# KiCad board demomatrix.kicad_pcb (continued)
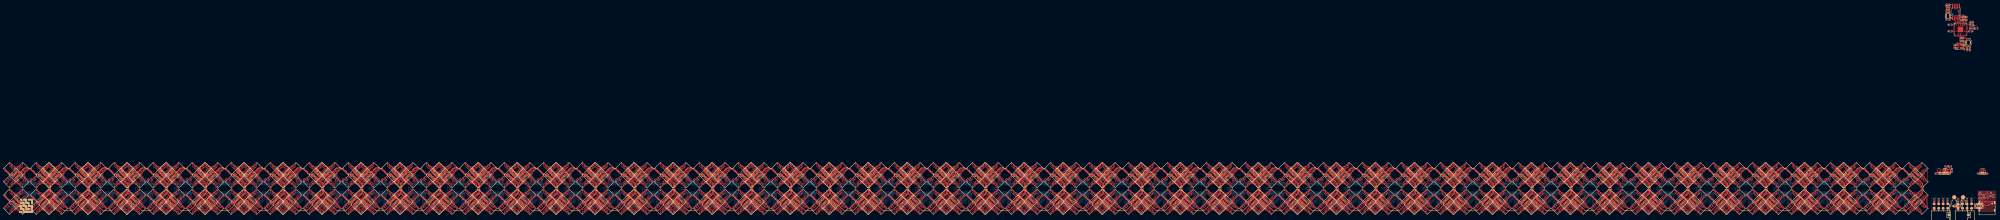
[diagram p0: board, top side]
## Nets (continued)
rgbs[3]-cathodes-cathode-591: LED688.5 U211.14
rgbs[3]-cathodes-cathode-592: LED692.1 U216.5
rgbs[3]-cathodes-cathode-593: LED704.3 U216.15
rgbs[3]-cathodes-cathode-594: LED704.1 U216.16
rgbs[3]-cathodes-cathode-595: LED700.1 U216.17
rgbs[3]-cathodes-cathode-596: LED700.3 U216.18
rgbs[3]-cathodes-cathode-597: LED700.5 U216.19
rgbs[3]-cathodes-cathode-598: LED700.7 U216.20
rgbs[3]-cathodes-cathode-599: LED692.3 U216.6
rgbs[3]-cathodes-cathode-600: LED692.5 U216.7
rgbs[3]-cathodes-cathode-601: LED692.7 U216.8
rgbs[3]-cathodes-cathode-602: LED696.1 U216.9
rgbs[3]-cathodes-cathode-603: LED696.3 U216.10
rgbs[3]-cathodes-cathode-604: LED696.5 U216.11
rgbs[3]-cathodes-cathode-605: LED696.7 U216.12
rgbs[3]-cathodes-cathode-606: LED704.7 U216.13
rgbs[3]-cathodes-cathode-607: LED704.5 U216.14
rgbs[3]-cathodes-cathode-608: LED708.1 U221.5
rgbs[3]-cathodes-cathode-609: LED720.3 U221.15
rgbs[3]-cathodes-cathode-610: LED720.1 U221.16
rgbs[3]-cathodes-cathode-611: LED716.1 U221.17
rgbs[3]-cathodes-cathode-612: LED716.3 U221.18
rgbs[3]-cathodes-cathode-613: LED716.5 U221.19
rgbs[3]-cathodes-cathode-614: LED716.7 U221.20
rgbs[3]-cathodes-cathode-615: LED708.3 U221.6
rgbs[3]-cathodes-cathode-616: LED708.5 U221.7
rgbs[3]-cathodes-cathode-617: LED708.7 U221.8
rgbs[3]-cathodes-cathode-618: LED712.1 U221.9
rgbs[3]-cathodes-cathode-619: LED712.3 U221.10
rgbs[3]-cathodes-cathode-620: LED712.5 U221.11
rgbs[3]-cathodes-cathode-621: LED712.7 U221.12
rgbs[3]-cathodes-cathode-622: LED720.7 U221.13
rgbs[3]-cathodes-cathode-623: LED720.5 U221.14
rgbs[3]-cathodes-cathode-624: LED724.1 U226.5
rgbs[3]-cathodes-cathode-625: LED736.3 U226.15
rgbs[3]-cathodes-cathode-626: LED736.1 U226.16
rgbs[3]-cathodes-cathode-627: LED732.1 U226.17
rgbs[3]-cathodes-cathode-628: LED732.3 U226.18
rgbs[3]-cathodes-cathode-629: LED732.5 U226.19
rgbs[3]-cathodes-cathode-630: LED732.7 U226.20
rgbs[3]-cathodes-cathode-631: LED724.3 U226.6
rgbs[3]-cathodes-cathode-632: LED724.5 U226.7
rgbs[3]-cathodes-cathode-633: LED724.7 U226.8
rgbs[3]-cathodes-cathode-634: LED728.1 U226.9
rgbs[3]-cathodes-cathode-635: LED728.3 U226.10
rgbs[3]-cathodes-cathode-636: LED728.5 U226.11
rgbs[3]-cathodes-cathode-637: LED728.7 U226.12
rgbs[3]-cathodes-cathode-638: LED736.7 U226.13
rgbs[3]-cathodes-cathode-639: LED736.5 U226.14
rgbs[3]-cathodes-cathode-640: LED740.1 U231.5
rgbs[3]-cathodes-cathode-641: LED752.3 U231.15
rgbs[3]-cathodes-cathode-642: LED752.1 U231.16
rgbs[3]-cathodes-cathode-643: LED748.1 U231.17
rgbs[3]-cathodes-cathode-644: LED748.3 U231.18
rgbs[3]-cathodes-cathode-645: LED748.5 U231.19
rgbs[3]-cathodes-cathode-646: LED748.7 U231.20
rgbs[3]-cathodes-cathode-647: LED740.3 U231.6
rgbs[3]-cathodes-cathode-648: LED740.5 U231.7
rgbs[3]-cathodes-cathode-649: LED740.7 U231.8
rgbs[3]-cathodes-cathode-650: LED744.1 U231.9
rgbs[3]-cathodes-cathode-651: LED744.3 U231.10
rgbs[3]-cathodes-cathode-652: LED744.5 U231.11
rgbs[3]-cathodes-cathode-653: LED744.7 U231.12
rgbs[3]-cathodes-cathode-654: LED752.7 U231.13
rgbs[3]-cathodes-cathode-655: LED752.5 U231.14
rgbs[3]-cathodes-cathode-656: LED756.1 U236.5
rgbs[3]-cathodes-cathode-657: LED768.3 U236.15
rgbs[3]-cathodes-cathode-658: LED768.1 U236.16
rgbs[3]-cathodes-cathode-659: LED764.1 U236.17
rgbs[3]-cathodes-cathode-660: LED764.3 U236.18
rgbs[3]-cathodes-cathode-661: LED764.5 U236.19
rgbs[3]-cathodes-cathode-662: LED764.7 U236.20
rgbs[3]-cathodes-cathode-663: LED756.3 U236.6
rgbs[3]-cathodes-cathode-664: LED756.5 U236.7
rgbs[3]-cathodes-cathode-665: LED756.7 U236.8
rgbs[3]-cathodes-cathode-666: LED760.1 U236.9
rgbs[3]-cathodes-cathode-667: LED760.3 U236.10
rgbs[3]-cathodes-cathode-668: LED760.5 U236.11
rgbs[3]-cathodes-cathode-669: LED760.7 U236.12
rgbs[3]-cathodes-cathode-670: LED768.7 U236.13
rgbs[3]-cathodes-cathode-671: LED768.5 U236.14
rgbs[3]-cathodes-cathode-672: LED772.1 U241.5
rgbs[3]-cathodes-cathode-673: LED784.3 U241.15
rgbs[3]-cathodes-cathode-674: LED784.1 U241.16
rgbs[3]-cathodes-cathode-675: LED780.1 U241.17
rgbs[3]-cathodes-cathode-676: LED780.3 U241.18
rgbs[3]-cathodes-cathode-677: LED780.5 U241.19
rgbs[3]-cathodes-cathode-678: LED780.7 U241.20
rgbs[3]-cathodes-cathode-679: LED772.3 U241.6
rgbs[3]-cathodes-cathode-680: LED772.5 U241.7
rgbs[3]-cathodes-cathode-681: LED772.7 U241.8
rgbs[3]-cathodes-cathode-682: LED776.1 U241.9
rgbs[3]-cathodes-cathode-683: LED776.3 U241.10
rgbs[3]-cathodes-cathode-684: LED776.5 U241.11
rgbs[3]-cathodes-cathode-685: LED776.7 U241.12
rgbs[3]-cathodes-cathode-686: LED784.7 U241.13
rgbs[3]-cathodes-cathode-687: LED784.5 U241.14
rgbs[3]-cathodes-cathode-688: LED68.1 U21.5
rgbs[3]-cathodes-cathode-689: LED80.3 U21.15
rgbs[3]-cathodes-cathode-690: LED80.1 U21.16
rgbs[3]-cathodes-cathode-691: LED76.1 U21.17
rgbs[3]-cathodes-cathode-692: LED76.3 U21.18
rgbs[3]-cathodes-cathode-693: LED76.5 U21.19
rgbs[3]-cathodes-cathode-694: LED76.7 U21.20
rgbs[3]-cathodes-cathode-695: LED68.3 U21.6
rgbs[3]-cathodes-cathode-696: LED68.5 U21.7
rgbs[3]-cathodes-cathode-697: LED68.7 U21.8
rgbs[3]-cathodes-cathode-698: LED72.1 U21.9
rgbs[3]-cathodes-cathode-699: LED72.3 U21.10
rgbs[3]-cathodes-cathode-700: LED72.5 U21.11
rgbs[3]-cathodes-cathode-701: LED72.7 U21.12
rgbs[3]-cathodes-cathode-702: LED80.7 U21.13
rgbs[3]-cathodes-cathode-703: LED80.5 U21.14
rgbs[3]-cathodes-cathode-704: LED84.1 U26.5
rgbs[3]-cathodes-cathode-705: LED96.3 U26.15
rgbs[3]-cathodes-cathode-706: LED96.1 U26.16
rgbs[3]-cathodes-cathode-707: LED92.1 U26.17
rgbs[3]-cathodes-cathode-708: LED92.3 U26.18
rgbs[3]-cathodes-cathode-709: LED92.5 U26.19
rgbs[3]-cathodes-cathode-710: LED92.7 U26.20
rgbs[3]-cathodes-cathode-711: LED84.3 U26.6
rgbs[3]-cathodes-cathode-712: LED84.5 U26.7
rgbs[3]-cathodes-cathode-713: LED84.7 U26.8
rgbs[3]-cathodes-cathode-714: LED88.1 U26.9
rgbs[3]-cathodes-cathode-715: LED88.3 U26.10
rgbs[3]-cathodes-cathode-716: LED88.5 U26.11
rgbs[3]-cathodes-cathode-717: LED88.7 U26.12
rgbs[3]-cathodes-cathode-718: LED96.7 U26.13
rgbs[3]-cathodes-cathode-719: LED96.5 U26.14
rgbs[3]-cathodes-cathode-720: LED100.1 U31.5
rgbs[3]-cathodes-cathode-721: LED112.3 U31.15
rgbs[3]-cathodes-cathode-722: LED112.1 U31.16
rgbs[3]-cathodes-cathode-723: LED108.1 U31.17
rgbs[3]-cathodes-cathode-724: LED108.3 U31.18
rgbs[3]-cathodes-cathode-725: LED108.5 U31.19
rgbs[3]-cathodes-cathode-726: LED108.7 U31.20
rgbs[3]-cathodes-cathode-727: LED100.3 U31.6
rgbs[3]-cathodes-cathode-728: LED100.5 U31.7
rgbs[3]-cathodes-cathode-729: LED100.7 U31.8
rgbs[3]-cathodes-cathode-730: LED104.1 U31.9
rgbs[3]-cathodes-cathode-731: LED104.3 U31.10
rgbs[3]-cathodes-cathode-732: LED104.5 U31.11
rgbs[3]-cathodes-cathode-733: LED104.7 U31.12
rgbs[3]-cathodes-cathode-734: LED112.7 U31.13
rgbs[3]-cathodes-cathode-735: LED112.5 U31.14
rgbs[3]-cathodes-cathode-736: LED116.1 U36.5
rgbs[3]-cathodes-cathode-737: LED128.3 U36.15
rgbs[3]-cathodes-cathode-738: LED128.1 U36.16
rgbs[3]-cathodes-cathode-739: LED124.1 U36.17
rgbs[3]-cathodes-cathode-740: LED124.3 U36.18
rgbs[3]-cathodes-cathode-741: LED124.5 U36.19
rgbs[3]-cathodes-cathode-742: LED124.7 U36.20
rgbs[3]-cathodes-cathode-743: LED116.3 U36.6
rgbs[3]-cathodes-cathode-744: LED116.5 U36.7
rgbs[3]-cathodes-cathode-745: LED116.7 U36.8
rgbs[3]-cathodes-cathode-746: LED120.1 U36.9
rgbs[3]-cathodes-cathode-747: LED120.3 U36.10
rgbs[3]-cathodes-cathode-748: LED120.5 U36.11
rgbs[3]-cathodes-cathode-749: LED120.7 U36.12
rgbs[3]-cathodes-cathode-750: LED128.7 U36.13
rgbs[3]-cathodes-cathode-751: LED128.5 U36.14
rgbs[3]-cathodes-cathode-752: LED132.1 U41.5
rgbs[3]-cathodes-cathode-753: LED144.3 U41.15
rgbs[3]-cathodes-cathode-754: LED144.1 U41.16
rgbs[3]-cathodes-cathode-755: LED140.1 U41.17
rgbs[3]-cathodes-cathode-756: LED140.3 U41.18
rgbs[3]-cathodes-cathode-757: LED140.5 U41.19
rgbs[3]-cathodes-cathode-758: LED140.7 U41.20
rgbs[3]-cathodes-cathode-759: LED132.3 U41.6
rgbs[3]-cathodes-cathode-760: LED132.5 U41.7
rgbs[3]-cathodes-cathode-761: LED132.7 U41.8
rgbs[3]-cathodes-cathode-762: LED136.1 U41.9
rgbs[3]-cathodes-cathode-763: LED136.3 U41.10
rgbs[3]-cathodes-cathode-764: LED136.5 U41.11
rgbs[3]-cathodes-cathode-765: LED136.7 U41.12
rgbs[3]-cathodes-cathode-766: LED144.7 U41.13
rgbs[3]-cathodes-cathode-767: LED144.5 U41.14
rgbs[3]-cathodes-cathode-768: LED148.1 U46.5
rgbs[3]-cathodes-cathode-769: LED160.3 U46.15
rgbs[3]-cathodes-cathode-770: LED160.1 U46.16
rgbs[3]-cathodes-cathode-771: LED156.1 U46.17
rgbs[3]-cathodes-cathode-772: LED156.3 U46.18
rgbs[3]-cathodes-cathode-773: LED156.5 U46.19
rgbs[3]-cathodes-cathode-774: LED156.7 U46.20
rgbs[3]-cathodes-cathode-775: LED148.3 U46.6
rgbs[3]-cathodes-cathode-776: LED148.5 U46.7
rgbs[3]-cathodes-cathode-777: LED148.7 U46.8
rgbs[3]-cathodes-cathode-778: LED152.1 U46.9
rgbs[3]-cathodes-cathode-779: LED152.3 U46.10
rgbs[3]-cathodes-cathode-780: LED152.5 U46.11
rgbs[3]-cathodes-cathode-781: LED152.7 U46.12
rgbs[3]-cathodes-cathode-782: LED160.7 U46.13
rgbs[3]-cathodes-cathode-783: LED160.5 U46.14
RP_USB_N: R67.2 U252.46
RP_USB_P: R66.2 U252.47
sbu[0]-line: USB1.9
sbu[1]-line: USB1.3
SCL: U250.3 U252.5
SCLK: U252.29
SDA: U249.3 U252.4
signal_a-MISO: R51.1 U241.22 U255.3
signal_b-MOSI: R50.1 U1.2 U254.4
spi-MISO: U252.31
spi-MOSI: U252.30
SWD_CLK: U252.24
SWD_DIO: U252.25
TX: U252.2 U254.3
USB_N: D1.1 D1.6 R67.1 USB1.5 USB1.7
USB_P: D1.3 D1.4 R66.1 USB1.6 USB1.8
VDIV_OUTPUT: R58.1 R59.2 U251.4
XIN: C454.1 U252.20 X1.1
XOUT: R63.2 U252.21

## Via types
v1: diameter 0.6, hole 0.3, Top to Bottom, 1295 vias
v2: diameter 0.5, hole 0.3, Top to Bottom, 37 vias

## Routing (per net, layer and track width the routed paths; a pad name or vN(x,y) marks a point on that pad's centre or on a via; arc(x,y) is an arc through that point)
3V3: length 50.4
  Top w0.2: C461.1 U252.1 14.11,105.72 v2(14.36,105.47) ; v2(18.02,108.22) 18.21,108.41 C457.1 ; U255.6 28.76,22.25 C469.1 27.22,21.49 v1(27.2,21.47) ; v2(12.31,114.87) 12.3,114.88 U253.8 ; U246.1 5.66,22.27 C442.1 7.24,21.49 v1(7.25,21.48) ; v1(31.25,21.48) 31.24,21.49 C466.1 29.66,22.27 U254.1 ; C456.1 v2(20.21,107.72) 19.71,107.72 19.31,107.32 U252.43 ; v2(18.96,105.42) 18.91,105.47 U252.44 U252.43 ; v1(11.25,21.48) 11.24,21.49 C446.1 9.66,22.27 U250.1 ; C458.1 17.11,98.42 16.91,98.62 U252.22 v2(16.91,100.77) ; U249.1 8.66,22.27 C444.1 10.24,21.49 v1(10.25,21.48) ; U252.48 U252.49 16.91,105.62 v2(16.71,105.42) ; C460.1 U252.33 v2(19.06,102.12) ; C459.1 22.06,105.37 21.71,105.72 v2(21.51,105.72) U252.42 19.46,105.72 19.31,105.87 U252.43 ; C462.1 U252.10 v2(14.36,102.12) ; R65.1 v2(22.56,91.37)
  Top w0.25: C449.1 8.76,24 U251.5 8.76,25.04 8.55,25.25 8.55,25.42 R59.1 ; U253.8 12.3,117.12 C463.1 C464.1 10.26,115.67 10.06,115.46 9.36,115.46 9.28,115.39 R62.1
  Bottom w0.2: 18.52,107.72 16.71,105.91 v2(16.71,105.42) ; 18.52,107.72 v2(20.21,107.72) ; 18.52,107.72 v2(18.02,108.22)
GND: length 1078.8
  Top w0.2: 4.72,21.49 C442.2 ; 4.72,21.49 v1(4.72,22.63) 4.72,22.68 5.16,23.12 U246.2 ; 4.72,21.49 C443.2 ; C460.2 v2(24.11,102.12) ; 29.72,21.49 C468.2 ; 29.72,21.49 C469.2 ; 29.72,21.49 v1(29.72,22.63) 29.72,22.68 30.16,23.12 U255.2 ; R64.1 26.14,104.69 25.46,105.37 v2(24.71,105.37) C459.2 ; 28.72,21.49 C466.2 ; 28.72,21.49 v1(28.72,22.63) 28.72,22.68 29.16,23.12 U254.2 ; 28.72,21.49 C467.2 ; C447.2 8.72,21.49 ; 8.72,21.49 v1(8.72,22.63) 8.72,22.68 9.16,23.12 U250.2 ; 8.72,21.49 C446.2 ; 7.72,21.49 v1(7.72,22.63) 7.72,22.68 8.16,23.12 U249.2 ; 7.72,21.49 C445.2 ; 7.72,21.49 C444.2 ; C461.2 v2(9.31,105.72) ; 18.71,109.87 v2(18.71,111.27) ; 19.71,109.87 C456.2 ; 19.71,109.87 17.71,109.87 ; 19.71,109.87 v2(19.71,110.87) ; U252.19 v2(15.71,100.77) ; C462.2 v2(9.31,102.12) ; 17.71,109.87 C452.2 16.11,109.87 U253.4 16.11,113.52 v2(16.46,113.87) ; 17.71,109.87 v2(17.71,111.27) ; v2(19.11,96.82) C453.2 C458.2
  Top w0.25: C449.2 9.19,22.9 9.71,22.39 ; 9.16,116.62 C464.2 ; 9.16,116.62 v2(8.16,116.62) ; 9.16,116.62 C463.2 ; SW2.1 v2(22.28,95.62) SW2.2 21.76,93 C465.2 ; C450.2 9.16,113.24 SW1.2 v2(8.64,110.62) SW1.1 ; C454.2 14.71,94.07 X1.4 v2(15.01,95.62) ; v2(18.86,91.32) C455.2 18.66,92.67 X1.2 ; 9.71,22.39 U251.2 9.71,22.39 ; 9.71,22.39 10.23,22.9 10.85,22.9 11.87,23.93 C448.2 11.93,24.97 11.24,25.66 R58.2
  Top w0.5: v1(-403.74,23.18) -404.72,22.2 C341.2 -404.75,22.13 C337.2 ; C140.2 -932.83,4.1 C142.2 -931.23,5.68 -931.99,4.92 v1(-932.02,4.92) ; C283.2 -536.75,22.13 C287.2 -536.72,22.2 v1(-535.74,23.18) ; v1(-264.8,18.02) -265.79,19.01 C388.2 -265.79,19.03 C389.2 ; C402.2 -243.79,7.06 C399.2 -243.79,7.11 v1(-244.77,8.09) ; C362.2 -331.79,19.03 C361.2 -331.79,19.01 v1(-330.8,18.02) ; v1(-440.8,18.02) -441.79,19.01 C325.2 -441.79,19.03 C326.2 ; v1(-462.8,18.02) -463.79,19.01 C316.2 -463.79,19.03 C317.2 ; v1(-668.02,4.92) -667.99,4.92 -667.23,5.68 C241.2 -668.83,4.1 C239.2 ; C94.2 -1042.75,22.13 C98.2 -1042.72,22.2 v1(-1041.74,23.18) ; v1(-792.8,18.02) -793.79,19.01 C190.2 -793.79,19.03 C191.2 ; C85.2 -8.75,22.13 C89.2 -8.72,22.2 v1(-7.74,23.18) ; v1(-132.8,18.02) -133.79,19.01 C37.2 -133.79,19.03 C38.2 ; C335.2 -419.79,19.03 C334.2 -419.79,19.01 v1(-418.8,18.02) ; v1(-836.8,18.02) -837.79,19.01 C10.2 -837.79,19.03 C11.2 ; C24.2 -595.79,7.06 C21.2 -595.79,7.11 v1(-596.77,8.09) ; v1(-352.8,18.02) -353.79,19.01 C28.2 -353.79,19.03 C29.2 ; C176.2 -844.83,4.1 C178.2 -843.23,5.68 -843.99,4.92 v1(-844.02,4.92) ; v1(-464.77,8.09) -463.79,7.11 C318.2 -463.79,7.06 C321.2 ; C276.2 -573.79,7.06 C273.2 -573.79,7.11 v1(-574.77,8.09) ; C247.2 -646.75,22.13 C251.2 -646.72,22.2 v1(-645.74,23.18) ; C213.2 -749.79,7.06 C210.2 -749.79,7.11 v1(-750.77,8.09) ; USB1.12 35.48,5.5 USB1.14 ; C96.2 -1057.79,7.06 C93.2 -1057.79,7.11 v1(-1058.77,8.09) ; v1(-1034.8,18.02) -1035.79,19.01 C100.2 -1035.79,19.03 C101.2 ; C257.2 -624.83,4.1 C259.2 -623.23,5.68 -623.99,4.92 v1(-624.02,4.92) ; v1(-1080.77,8.09) -1079.79,7.11 C3.2 -1079.79,7.06 C6.2 ; v1(-794.77,8.09) -793.79,7.11 C192.2 -793.79,7.06 C195.2 ; v1(-706.77,8.09) -705.79,7.11 C228.2 -705.79,7.06 C231.2 ; C401.2 -228.83,4.1 C403.2 -227.23,5.68 -227.99,4.92 v1(-228.02,4.92) ; C285.2 -551.79,7.06 C282.2 -551.79,7.11 v1(-552.77,8.09) ; C410.2 -206.83,4.1 C412.2 -205.23,5.68 -205.99,4.92 v1(-206.02,4.92) ; v1(-646.02,4.92) -645.99,4.92 -645.23,5.68 C250.2 -646.83,4.1 C248.2 ; C76.2 -30.75,22.13 C80.2 -30.72,22.2 v1(-29.74,23.18) ; v1(-997.74,23.18) -998.72,22.2 C116.2 -998.75,22.13 C112.2 ; v1(-8.02,4.92) -7.99,4.92 -7.23,5.68 C88.2 -8.83,4.1 C86.2 ; C202.2 -756.75,22.13 C206.2 -756.72,22.2 v1(-755.74,23.18) ; C375.2 -309.79,7.06 C372.2 -309.79,7.11 v1(-310.77,8.09) ; v1(-530.77,8.09) -529.79,7.11 C291.2 -529.79,7.06 C294.2 ; v1(-447.74,23.18) -448.72,22.2 C323.2 -448.75,22.13 C319.2 ; v1(-638.8,18.02) -639.79,19.01 C253.2 -639.79,19.03 C254.2 ; v1(-684.77,8.09) -683.79,7.11 C237.2 -683.79,7.06 C240.2 ; C203.2 -756.83,4.1 C205.2 -755.23,5.68 -755.99,4.92 v1(-756.02,4.92) ; v1(-1012.8,18.02) -1013.79,19.01 C109.2 -1013.79,19.03 C110.2 ; C364.2 -316.75,22.13 C368.2 -316.72,22.2 v1(-315.74,23.18) ; v1(-770.8,18.02) -771.79,19.01 C199.2 -771.79,19.03 C200.2 ; v1(-176.8,18.02) -177.79,19.01 C424.2 -177.79,19.03 C425.2 ; C146.2 -925.79,19.03 C145.2 -925.79,19.01 v1(-924.8,18.02) ; C303.2 -507.79,7.06 C300.2 -507.79,7.11 v1(-508.77,8.09) ; v1(-134.77,8.09) -133.79,7.11 C39.2 -133.79,7.06 C42.2 ; v1(-112.77,8.09) -111.79,7.11 C48.2 -111.79,7.06 C51.2 ; C65.2 -67.79,19.03 C64.2 -67.79,19.01 v1(-66.8,18.02) ; C356.2 -360.83,4.1 C358.2 -359.23,5.68 -359.99,4.92 v1(-360.02,4.92) ; v1(-139.74,23.18) -140.72,22.2 C440.2 -140.75,22.13 C436.2 ; C103.2 -1020.75,22.13 C107.2 -1020.72,22.2 v1(-1019.74,23.18) ; v1(-381.74,23.18) -382.72,22.2 C350.2 -382.75,22.13 C346.2 ; v1(-550.8,18.02) -551.79,19.01 C280.2 -551.79,19.03 C281.2 ; v1(-1036.77,8.09) -1035.79,7.11 C102.2 -1035.79,7.06 C105.2 ; C438.2 -155.79,7.06 C435.2 -155.79,7.11 v1(-156.77,8.09) ; v1(-946.8,18.02) -947.79,19.01 C136.2 -947.79,19.03 C137.2 ; C299.2 -507.79,19.03 C298.2 -507.79,19.01 v1(-506.8,18.02) ; v1(-249.74,23.18) -250.72,22.2 C395.2 -250.75,22.13 C391.2 ; USB1.1 27.94,5.5 USB1.13 ; v1(-288.77,8.09) -287.79,7.11 C381.2 -287.79,7.06 C384.2 ; v1(-425.74,23.18) -426.72,22.2 C332.2 -426.75,22.13 C328.2 ; C155.2 -903.79,19.03 C154.2 -903.79,19.01 v1(-902.8,18.02) ; C186.2 -815.79,7.06 C183.2 -815.79,7.11 v1(-816.77,8.09) ; v1(-354.77,8.09) -353.79,7.11 C30.2 -353.79,7.06 C33.2 ; v1(-712.02,4.92) -711.99,4.92 -711.23,5.68 C223.2 -712.83,4.1 C221.2 ; v1(-976.02,4.92) -975.99,4.92 -975.23,5.68 C124.2 -976.83,4.1 C122.2 ; C128.2 -969.79,19.03 C127.2 -969.79,19.01 v1(-968.8,18.02) ; C429.2 -177.79,7.06 C426.2 -177.79,7.11 v1(-178.77,8.09) ; C50.2 -96.83,4.1 C52.2 -95.23,5.68 -95.99,4.92 v1(-96.02,4.92) ; C267.2 -617.79,7.06 C264.2 -617.79,7.11 v1(-618.77,8.09) ; v1(-491.74,23.18) -492.72,22.2 C305.2 -492.75,22.13 C301.2 ; C357.2 -375.79,7.06 C354.2 -375.79,7.11 v1(-376.77,8.09) ; v1(-162.02,4.92) -161.99,4.92 -161.23,5.68 C430.2 -162.83,4.1 C428.2 ; v1(-734.02,4.92) -733.99,4.92 -733.23,5.68 C214.2 -734.83,4.1 C212.2 ; v1(-22.8,18.02) -23.79,19.01 C82.2 -23.79,19.03 C83.2 ; C366.2 -331.79,7.06 C363.2 -331.79,7.11 v1(-332.77,8.09) ; C5.2 -1064.83,4.1 C7.2 -1063.23,5.68 -1063.99,4.92 v1(-1064.02,4.92) ; v1(-183.74,23.18) -184.72,22.2 C422.2 -184.75,22.13 C418.2 ; v1(-690.02,4.92) -689.99,4.92 -689.23,5.68 C232.2 -690.83,4.1 C230.2 ; C222.2 -727.79,7.06 C219.2 -727.79,7.11 v1(-728.77,8.09) ; C32.2 -338.83,4.1 C34.2 -337.23,5.68 -337.99,4.92 v1(-338.02,4.92) ; v1(-557.74,23.18) -558.72,22.2 C278.2 -558.75,22.13 C274.2 ; v1(-778.02,4.92) -777.99,4.92 -777.23,5.68 C196.2 -778.83,4.1 C194.2 ; v1(-220.8,18.02) -221.79,19.01 C406.2 -221.79,19.03 C407.2 ; v1(-88.8,18.02) -89.79,19.01 C55.2 -89.79,19.03 C56.2 ; v1(-594.8,18.02) -595.79,19.01 C19.2 -595.79,19.03 C20.2 ; C204.2 -771.79,7.06 C201.2 -771.79,7.11 v1(-772.77,8.09) ; C434.2 -155.79,19.03 C433.2 -155.79,19.01 v1(-154.8,18.02) ; v1(-266.77,8.09) -265.79,7.11 C390.2 -265.79,7.06 C393.2 ; C114.2 -1013.79,7.06 C111.2 -1013.79,7.11 v1(-1014.77,8.09) ; v1(-205.74,23.18) -206.72,22.2 C413.2 -206.75,22.13 C409.2 ; C104.2 -1020.83,4.1 C106.2 -1019.23,5.68 -1019.99,4.92 v1(-1020.02,4.92) ; C77.2 -30.83,4.1 C79.2 -29.23,5.68 -29.99,4.92 v1(-30.02,4.92) ; v1(-1042.02,4.92) -1041.99,4.92 -1041.23,5.68 C97.2 -1042.83,4.1 C95.2 ; v1(-359.74,23.18) -360.72,22.2 C359.2 -360.75,22.13 C355.2 ; C312.2 -485.79,7.06 C309.2 -485.79,7.11 v1(-486.77,8.09) ; C420.2 -199.79,7.06 C417.2 -199.79,7.11 v1(-200.77,8.09) ; C427.2 -162.75,22.13 C431.2 -162.72,22.2 v1(-161.74,23.18) ; v1(-484.8,18.02) -485.79,19.01 C307.2 -485.79,19.03 C308.2 ; v1(-948.77,8.09) -947.79,7.11 C138.2 -947.79,7.06 C141.2 ; v1(-990.8,18.02) -991.79,19.01 C118.2 -991.79,19.03 C119.2 ; v1(-24.77,8.09) -23.79,7.11 C84.2 -23.79,7.06 C87.2 ; v1(-887.74,23.18) -888.72,22.2 C161.2 -888.75,22.13 C157.2 ; v1(-293.74,23.18) -294.72,22.2 C377.2 -294.75,22.13 C373.2 ; C22.2 -580.75,22.13 C26.2 -580.72,22.2 v1(-579.74,23.18) ; v1(-1056.8,18.02) -1057.79,19.01 C91.2 -1057.79,19.03 C92.2 ; v1(-46.77,8.09) -45.79,7.11 C75.2 -45.79,7.06 C78.2 ; C121.2 -976.75,22.13 C125.2 -976.72,22.2 v1(-975.74,23.18) ; C47.2 -111.79,19.03 C46.2 -111.79,19.01 v1(-110.8,18.02) ; v1(-866.02,4.92) -865.99,4.92 -865.23,5.68 C169.2 -866.83,4.1 C167.2 ; C292.2 -514.75,22.13 C296.2 -514.72,22.2 v1(-513.74,23.18) ; v1(-337.74,23.18) -338.72,22.2 C35.2 -338.75,22.13 C31.2 ; C148.2 -910.75,22.13 C152.2 -910.72,22.2 v1(-909.74,23.18) ; C67.2 -52.75,22.13 C71.2 -52.72,22.2 v1(-51.74,23.18) ; v1(-843.74,23.18) -844.72,22.2 C179.2 -844.75,22.13 C175.2 ; C158.2 -888.83,4.1 C160.2 -887.23,5.68 -887.99,4.92 v1(-888.02,4.92) ; v1(-821.74,23.18) -822.72,22.2 C17.2 -822.75,22.13 C13.2 ; C166.2 -866.75,22.13 C170.2 -866.72,22.2 v1(-865.74,23.18) ; C383.2 -272.83,4.1 C385.2 -271.23,5.68 -271.99,4.92 v1(-272.02,4.92) ; v1(-316.02,4.92) -315.99,4.92 -315.23,5.68 C367.2 -316.83,4.1 C365.2 ; C339.2 -419.79,7.06 C336.2 -419.79,7.11 v1(-420.77,8.09) ; C416.2 -199.79,19.03 C415.2 -199.79,19.01 v1(-198.8,18.02) ; C437.2 -140.83,4.1 C439.2 -139.23,5.68 -139.99,4.92 v1(-140.02,4.92) ; v1(-442.77,8.09) -441.79,7.11 C327.2 -441.79,7.06 C330.2 ; C398.2 -243.79,19.03 C397.2 -243.79,19.01 v1(-242.8,18.02) ; C302.2 -492.83,4.1 C304.2 -491.23,5.68 -491.99,4.92 v1(-492.02,4.92) ; C130.2 -954.75,22.13 C134.2 -954.72,22.2 v1(-953.74,23.18) ; C41.2 -118.83,4.1 C43.2 -117.23,5.68 -117.99,4.92 v1(-118.02,4.92) ; v1(-396.8,18.02) -397.79,19.01 C343.2 -397.79,19.03 C344.2 ; C15.2 -837.79,7.06 C12.2 -837.79,7.11 v1(-838.77,8.09) ; v1(-1078.8,18.02) -1079.79,19.01 C1.2 -1079.79,19.03 C2.2 ; v1(-426.02,4.92) -425.99,4.92 -425.23,5.68 C331.2 -426.83,4.1 C329.2 ; v1(-73.74,23.18) -74.72,22.2 C62.2 -74.75,22.13 C58.2 ; v1(-662.77,8.09) -661.79,7.11 C246.2 -661.79,7.06 C249.2 ; C173.2 -859.79,19.03 C172.2 -859.79,19.01 v1(-858.8,18.02) ; C139.2 -932.75,22.13 C143.2 -932.72,22.2 v1(-931.74,23.18) ; v1(-250.02,4.92) -249.99,4.92 -249.23,5.68 C394.2 -250.83,4.1 C392.2 ; C184.2 -800.75,22.13 C188.2 -800.72,22.2 v1(-799.74,23.18) ; v1(-514.02,4.92) -513.99,4.92 -513.23,5.68 C295.2 -514.83,4.1 C293.2 ; C185.2 -800.83,4.1 C187.2 -799.23,5.68 -799.99,4.92 v1(-800.02,4.92) ; v1(-704.8,18.02) -705.79,19.01 C226.2 -705.79,19.03 C227.2 ; v1(-682.8,18.02) -683.79,19.01 C235.2 -683.79,19.03 C236.2 ; C182.2 -815.79,19.03 C181.2 -815.79,19.01 v1(-814.8,18.02) ; v1(-926.77,8.09) -925.79,7.11 C147.2 -925.79,7.06 C150.2 ; v1(-910.02,4.92) -909.99,4.92 -909.23,5.68 C151.2 -910.83,4.1 C149.2 ; C164.2 -881.79,19.03 C163.2 -881.79,19.01 v1(-880.8,18.02) ; C168.2 -881.79,7.06 C165.2 -881.79,7.11 v1(-882.77,8.09) ; v1(-602.02,4.92) -601.99,4.92 -601.23,5.68 C268.2 -602.83,4.1 C266.2 ; C68.2 -52.83,4.1 C70.2 -51.23,5.68 -51.99,4.92 v1(-52.02,4.92) ; C59.2 -74.83,4.1 C61.2 -73.23,5.68 -73.99,4.92 v1(-74.02,4.92) ; v1(-580.02,4.92) -579.99,4.92 -579.23,5.68 C25.2 -580.83,4.1 C23.2 ; C258.2 -639.79,7.06 C255.2 -639.79,7.11 v1(-640.77,8.09) ; C400.2 -228.75,22.13 C404.2 -228.72,22.2 v1(-227.74,23.18) ; C40.2 -118.75,22.13 C44.2 -118.72,22.2 v1(-117.74,23.18) ; C290.2 -529.79,19.03 C289.2 -529.79,19.01 v1(-528.8,18.02) ; C177.2 -859.79,7.06 C174.2 -859.79,7.11 v1(-860.77,8.09) ; v1(-726.8,18.02) -727.79,19.01 C217.2 -727.79,19.03 C218.2 ; v1(-68.77,8.09) -67.79,7.11 C66.2 -67.79,7.06 C69.2 ; v1(-1063.74,23.18) -1064.72,22.2 C8.2 -1064.75,22.13 C4.2 ; C320.2 -448.83,4.1 C322.2 -447.23,5.68 -447.99,4.92 v1(-448.02,4.92) ; v1(-970.77,8.09) -969.79,7.11 C129.2 -969.79,7.06 C132.2 ; C310.2 -470.75,22.13 C314.2 -470.72,22.2 v1(-469.74,23.18) ; C209.2 -749.79,19.03 C208.2 -749.79,19.01 v1(-748.8,18.02) ; v1(-992.77,8.09) -991.79,7.11 C120.2 -991.79,7.06 C123.2 ; C159.2 -903.79,7.06 C156.2 -903.79,7.11 v1(-904.77,8.09) ; C256.2 -624.75,22.13 C260.2 -624.72,22.2 v1(-623.74,23.18) ; v1(-572.8,18.02) -573.79,19.01 C271.2 -573.79,19.03 C272.2 ; C419.2 -184.83,4.1 C421.2 -183.23,5.68 -183.99,4.92 v1(-184.02,4.92) ; v1(-470.02,4.92) -469.99,4.92 -469.23,5.68 C313.2 -470.83,4.1 C311.2 ; v1(-954.02,4.92) -953.99,4.92 -953.23,5.68 C133.2 -954.83,4.1 C131.2 ; v1(-404.02,4.92) -403.99,4.92 -403.23,5.68 C340.2 -404.83,4.1 C338.2 ; C211.2 -734.75,22.13 C215.2 -734.72,22.2 v1(-733.74,23.18) ; C382.2 -272.75,22.13 C386.2 -272.72,22.2 v1(-271.74,23.18) ; v1(-601.74,23.18) -602.72,22.2 C269.2 -602.75,22.13 C265.2 ; v1(-998.02,4.92) -997.99,4.92 -997.23,5.68 C115.2 -998.83,4.1 C113.2 ; C60.2 -89.79,7.06 C57.2 -89.79,7.11 v1(-90.77,8.09) ; v1(-382.02,4.92) -381.99,4.92 -381.23,5.68 C349.2 -382.83,4.1 C347.2 ; C353.2 -375.79,19.03 C352.2 -375.79,19.01 v1(-374.8,18.02) ; C74.2 -45.79,19.03 C73.2 -45.79,19.01 v1(-44.8,18.02) ; C348.2 -397.79,7.06 C345.2 -397.79,7.11 v1(-398.77,8.09) ; C275.2 -558.83,4.1 C277.2 -557.23,5.68 -557.99,4.92 v1(-558.02,4.92) ; v1(-222.77,8.09) -221.79,7.11 C408.2 -221.79,7.06 C411.2 ; v1(-777.74,23.18) -778.72,22.2 C197.2 -778.75,22.13 C193.2 ; v1(-95.74,23.18) -96.72,22.2 C53.2 -96.75,22.13 C49.2 ; v1(-286.8,18.02) -287.79,19.01 C379.2 -287.79,19.03 C380.2 ; v1(-536.02,4.92) -535.99,4.92 -535.23,5.68 C286.2 -536.83,4.1 C284.2 ; v1(-822.02,4.92) -821.99,4.92 -821.23,5.68 C16.2 -822.83,4.1 C14.2 ; C374.2 -294.83,4.1 C376.2 -293.23,5.68 -293.99,4.92 v1(-294.02,4.92) ; v1(-660.8,18.02) -661.79,19.01 C244.2 -661.79,19.03 C245.2 ; v1(-711.74,23.18) -712.72,22.2 C224.2 -712.75,22.13 C220.2 ; v1(-308.8,18.02) -309.79,19.01 C370.2 -309.79,19.03 C371.2 ; C229.2 -690.75,22.13 C233.2 -690.72,22.2 v1(-689.74,23.18) ; C263.2 -617.79,19.03 C262.2 -617.79,19.01 v1(-616.8,18.02) ; C238.2 -668.75,22.13 C242.2 -668.72,22.2 v1(-667.74,23.18)
  Top w0.53: v1(31.71,8.87) D1.2
  Bottom w0.2: v1(-899.78,17.31) -899.78,17.31 U86.1 -899.78,14.53 -900.68,13.63 C162.2 -901.35,13.51 R18.2 ; v1(-481.78,17.31) -481.78,17.31 U171.1 -481.78,14.53 -482.68,13.63 C315.2 -483.35,13.51 R35.2 ; v1(-151.78,17.31) -151.78,17.31 U241.1 -151.78,14.53 -152.68,13.63 C441.2 -153.35,13.51 R49.2 ; R7.2 -87.35,13.51 C63.2 -86.68,13.63 -85.78,14.53 U31.1 -85.78,17.31 v1(-85.78,17.31) ; v1(-393.78,17.31) -393.78,17.31 U191.1 -393.78,14.53 -394.68,13.63 C351.2 -395.35,13.51 R39.2 ; R25.2 -725.35,13.51 C225.2 -724.68,13.63 -723.78,14.53 U121.1 -723.78,17.31 v1(-723.78,17.31) ; R41.2 -329.35,13.51 C369.2 -328.68,13.63 -327.78,14.53 U201.1 -327.78,17.31 v1(-327.78,17.31) ; v1(-63.78,17.31) -63.78,17.31 U36.1 -63.78,14.53 -64.68,13.63 C72.2 -65.35,13.51 R8.2 ; R48.2 -175.35,13.51 C432.2 -174.68,13.63 -173.78,14.53 U236.1 -173.78,17.31 v1(-173.78,17.31) ; R21.2 -813.35,13.51 C189.2 -812.68,13.63 -811.78,14.53 U101.1 -811.78,17.31 v1(-811.78,17.31) ; R17.2 -923.35,13.51 C153.2 -922.68,13.63 -921.78,14.53 U81.1 -921.78,17.31 v1(-921.78,17.31) ; R32.2 -549.35,13.51 C288.2 -548.68,13.63 -547.78,14.53 U156.1 -547.78,17.31 v1(-547.78,17.31) ; v1(-459.78,17.31) -459.78,17.31 U176.1 -459.78,14.53 -460.68,13.63 C324.2 -461.35,13.51 R36.2 ; v1(-679.78,17.31) -679.78,17.31 U131.1 -679.78,14.53 -680.68,13.63 C243.2 -681.35,13.51 R27.2 ; v1(-349.78,17.31) -349.78,17.31 U16.1 -349.78,14.53 -350.68,13.63 C36.2 -351.35,13.51 R4.2 ; R45.2 -241.35,13.51 C405.2 -240.68,13.63 -239.78,14.53 U221.1 -239.78,17.31 v1(-239.78,17.31) ; v1(-943.78,17.31) -943.78,17.31 U76.1 -943.78,14.53 -944.68,13.63 C144.2 -945.35,13.51 R16.2 ; v1(-987.78,17.31) -987.78,17.31 U66.1 -987.78,14.53 -988.68,13.63 C126.2 -989.35,13.51 R14.2 ; v1(-305.78,17.31) -305.78,17.31 U206.1 -305.78,14.53 -306.68,13.63 C378.2 -307.35,13.51 R42.2 ; v1(-789.78,17.31) -789.78,17.31 U106.1 -789.78,14.53 -790.68,13.63 C198.2 -791.35,13.51 R22.2 ; R24.2 -747.35,13.51 C216.2 -746.68,13.63 -745.78,14.53 U116.1 -745.78,17.31 v1(-745.78,17.31) ; R6.2 -109.35,13.51 C54.2 -108.68,13.63 -107.78,14.53 U26.1 -107.78,17.31 v1(-107.78,17.31) ; v1(-1009.78,17.31) -1009.78,17.31 U61.1 -1009.78,14.53 -1010.68,13.63 C117.2 -1011.35,13.51 R13.2 ; R28.2 -659.35,13.51 C252.2 -658.68,13.63 -657.78,14.53 U136.1 -657.78,17.31 v1(-657.78,17.31) ; v1(-503.78,17.31) -503.78,17.31 U166.1 -503.78,14.53 -504.68,13.63 C306.2 -505.35,13.51 R34.2 ; v1(-701.78,17.31) -701.78,17.31 U126.1 -701.78,14.53 -702.68,13.63 C234.2 -703.35,13.51 R26.2 ; v1(-569.78,17.31) -569.78,17.31 U151.1 -569.78,14.53 -570.68,13.63 C279.2 -571.35,13.51 R31.2 ; v1(-1053.78,17.31) -1053.78,17.31 U51.1 -1053.78,14.53 -1054.68,13.63 C99.2 -1055.35,13.51 R11.2 ; R43.2 -285.35,13.51 C387.2 -284.68,13.63 -283.78,14.53 U211.1 -283.78,17.31 v1(-283.78,17.31) ; R37.2 -439.35,13.51 C333.2 -438.68,13.63 -437.78,14.53 U181.1 -437.78,17.31 v1(-437.78,17.31) ; R47.2 -197.35,13.51 C423.2 -196.68,13.63 -195.78,14.53 U231.1 -195.78,17.31 v1(-195.78,17.31) ; v1(-855.78,17.31) -855.78,17.31 U96.1 -855.78,14.53 -856.68,13.63 C180.2 -857.35,13.51 R20.2 ; v1(-591.78,17.31) -591.78,17.31 U11.1 -591.78,14.53 -592.68,13.63 C27.2 -593.35,13.51 R3.2 ; R44.2 -263.35,13.51 C396.2 -262.68,13.63 -261.78,14.53 U216.1 -261.78,17.31 v1(-261.78,17.31) ; R10.2 -21.35,13.51 C90.2 -20.68,13.63 -19.78,14.53 U46.1 -19.78,17.31 v1(-19.78,17.31) ; v1(-415.78,17.31) -415.78,17.31 U186.1 -415.78,14.53 -416.68,13.63 C342.2 -417.35,13.51 R38.2 ; v1(-767.78,17.31) -767.78,17.31 U111.1 -767.78,14.53 -768.68,13.63 C207.2 -769.35,13.51 R23.2 ; v1(-877.78,17.31) -877.78,17.31 U91.1 -877.78,14.53 -878.68,13.63 C171.2 -879.35,13.51 R19.2 ; v1(-41.78,17.31) -41.78,17.31 U41.1 -41.78,14.53 -42.68,13.63 C81.2 -43.35,13.51 R9.2 ; R1.2 -1077.35,13.51 C9.2 -1076.68,13.63 -1075.78,14.53 U1.1 -1075.78,17.31 v1(-1075.78,17.31) ; R29.2 -637.35,13.51 C261.2 -636.68,13.63 -635.78,14.53 U141.1 -635.78,17.31 v1(-635.78,17.31) ; v1(-217.78,17.31) -217.78,17.31 U226.1 -217.78,14.53 -218.68,13.63 C414.2 -219.35,13.51 R46.2 ; R15.2 -967.35,13.51 C135.2 -966.68,13.63 -965.78,14.53 U71.1 -965.78,17.31 v1(-965.78,17.31) ; v1(-371.78,17.31) -371.78,17.31 U196.1 -371.78,14.53 -372.68,13.63 C360.2 -373.35,13.51 R40.2 ; v1(-833.78,17.31) -833.78,17.31 U6.1 -833.78,14.53 -834.68,13.63 C18.2 -835.35,13.51 R2.2 ; v1(-1031.78,17.31) -1031.78,17.31 U56.1 -1031.78,14.53 -1032.68,13.63 C108.2 -1033.35,13.51 R12.2 ; v1(-613.78,17.31) -613.78,17.31 U146.1 -613.78,14.53 -614.68,13.63 C270.2 -615.35,13.51 R30.2 ; R5.2 -131.35,13.51 C45.2 -130.68,13.63 -129.78,14.53 U21.1 -129.78,17.31 v1(-129.78,17.31) ; R33.2 -527.35,13.51 C297.2 -526.68,13.63 -525.78,14.53 U161.1 -525.78,17.31 v1(-525.78,17.31)